# Allegro board LAY-95869_A.brd (continued)
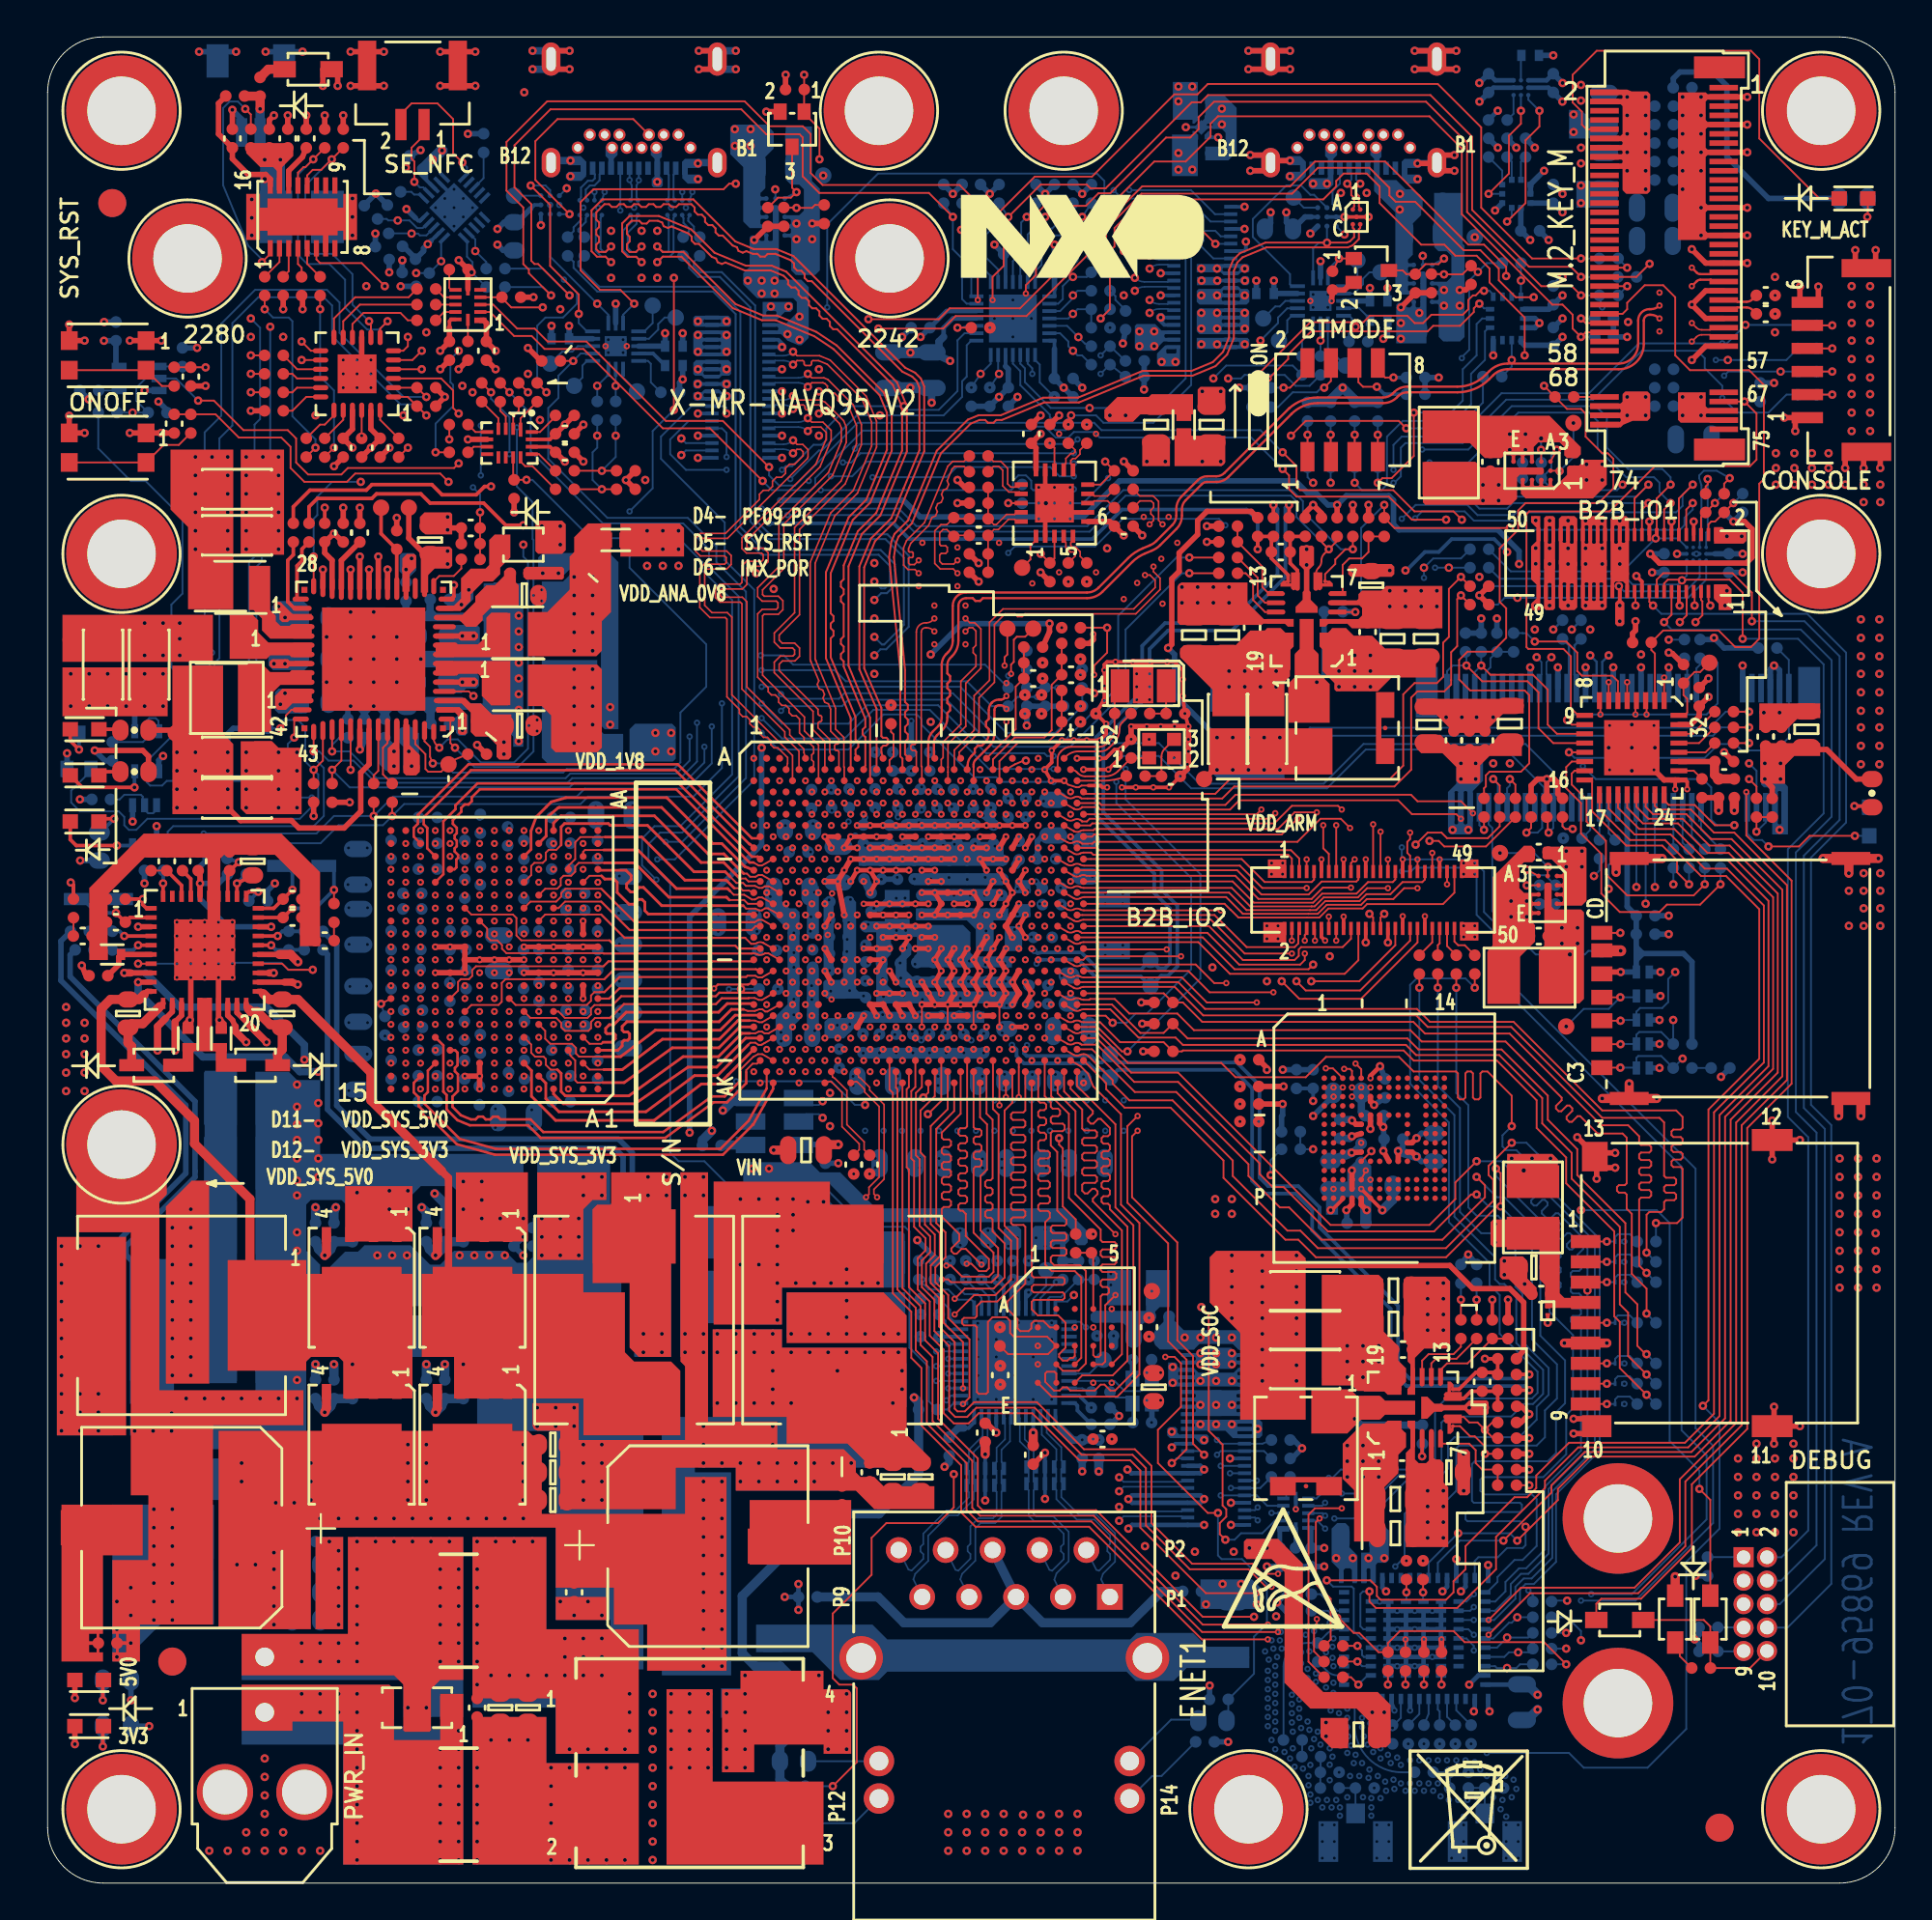
[diagram p0: board, top side]
## Routing (per net, layer and track width the routed paths; a pad name or vN(x,y) marks a point on that pad's centre or on a via; arc(x,y) is an arc through that point) (continued)
USB1_RX0_P: length 50.6
  TOP w0.107: U12.A21 45.13,61.26 45.13,61.51 45.24,61.61 45.39,61.61 45.49,61.71 45.49,61.95 45.4,62.04 45.21,62.04 45.13,62.12 45.13,63.66 44.2,65.8 44.2,71.27 44.79,72.69 45.89,73.79 46.63,75.58 47.45,77.56 47.45,81.06 47.27,81.5 46.95,81.81 46.42,82.08 40.38,88.12 39.45,88.51 38.22,88.51 37.23,88.92 34.95,91.2 30.03,91.2 29.44,90.61 29.44,88.39 29.74,88.1 30.2,88.1 v1(30.5,87.8)
  BOTTOM w0.107: U24.C2 29.67,90.18 29.67,88.41 29.98,88.1 30.2,88.1 v1(30.5,87.8)
USB1_RX1_N: length 39.3
  TOP w0.107: U12.A17 43.73,61.14 43.73,61.39 43.88,61.54 43.88,61.79 43.73,61.94 43.73,63.16 42.39,66.4 42.39,67.42 42.54,67.58 42.54,67.83 42.39,67.97 42.39,68.22 42.54,68.38 42.54,68.62 42.39,68.78 42.39,70.95 43.58,73.83 44.53,74.78 45.69,77.58 45.69,79.69 45.25,80.75 42.71,83.29 41.61,84.02 39.47,84.91 38.73,84.91 37.24,85.53 34.41,88.35 33.3,88.35 v1(33,88.65)
  BOTTOM w0.107: U22.C4 33.62,90.18 33.62,88.42 33.56,88.36 33.29,88.36 v1(33,88.65)
USB1_RX1_P: length 39.5
  TOP w0.107: U12.B16 43.47,63.11 42.13,66.35 42.13,71 43.36,73.98 44.31,74.93 45.43,77.63 45.43,79.64 45.03,80.6 42.55,83.09 41.49,83.79 39.42,84.65 38.68,84.65 37.09,85.31 34.3,88.1 33.3,88.1 v1(33,87.8)
  BOTTOM w0.107: U22.C3 33.88,90.18 33.88,88.31 33.67,88.1 33.3,88.1 v1(33,87.8)
USB1_TX0_C_N: length 1.5
  BOTTOM w0.107: U24.C3 29.13,90.18 29.13,89.98 28.73,89.58 28.73,89.48 C145.1
USB1_TX0_C_P: length 1.5
  BOTTOM w0.107: C146.1 28.47,89.48 28.47,89.69 28.87,90.09 28.87,90.18 U24.C4
USB1_TX0_N: length 46.8
  L3_IN1 w0.114: v1(44.75,69.5) 44.93,69.68 arc(45.11,69.8) 45.32,69.84 45.67,69.84 arc(46.36,69.55) 46.64,68.87 46.64,59.27 46.62,59.25 v4(46.62,58.5)
  BOTTOM w0.107: v1(44.75,69.5) 45.12,69.87 45.43,69.87 45.86,70.3 45.86,71.44 45.09,72.21 38.74,72.21 37.5,73.45 37.5,85.1 36.13,86.47 29.86,86.47 28.73,87.6 28.73,87.82 C145.2
USB1_TX0_P: length 46.8
  L3_IN1 w0.114: v4(46.97,59.11) 46.96,59.12 46.96,59.52 47.11,59.66 47.11,59.91 46.96,60.06 46.96,60.31 47.11,60.47 47.11,60.72 46.96,60.87 46.96,61.12 47.11,61.27 47.11,61.52 46.96,61.66 46.96,61.91 47.11,62.06 47.11,62.31 46.96,62.47 46.96,68.87 arc(46.58,69.78) 45.67,70.16 45.3,70.16 arc(45.11,70.19) 44.95,70.3 v1(44.75,70.5)
  BOTTOM w0.107: v1(44.75,70.5) 45.12,70.13 45.32,70.13 45.6,70.41 45.6,71.33 44.98,71.95 38.63,71.95 37.24,73.34 37.24,84.99 36.02,86.21 29.75,86.21 28.47,87.49 28.47,87.82 C146.2
USB1_TX1_C_N: length 1.5
  BOTTOM w0.107: U22.C2 34.42,90.18 34.42,89.92 34.72,89.62 34.72,89.48 C144.1
USB1_TX1_C_P: length 1.5
  BOTTOM w0.107: C143.1 34.98,89.48 34.98,89.73 34.68,90.03 34.68,90.18 U22.C1
USB1_TX1_N: length 41.3
  L3_IN1 w0.114: v4(45.57,59.11) 45.54,59.14 45.54,59.29 arc(45.57,59.43) 45.64,59.54 45.79,59.69 arc(45.89,59.83) 45.92,60.01 45.92,60.37 46.09,60.54 46.09,60.79 45.92,60.96 45.92,61.17 46.09,61.34 46.09,61.59 45.94,61.74 45.94,61.99 46.09,62.14 46.09,62.39 45.94,62.54 45.94,62.79 46.09,62.94 46.09,63.19 45.92,63.36 45.92,66.51 arc(45.73,66.97) 45.27,67.16 45.2,67.16 arc(45.1,67.18) 45.01,67.24 v1(44.75,67.5)
  BOTTOM w0.107: v1(44.75,67.5) 45.16,67.09 45.28,67.09 46.35,68.16 46.35,71.8 45.35,72.8 38.98,72.8 38.04,73.74 38.04,85.34 36.38,87 35.21,87 34.72,87.49 34.72,87.82 C144.2
USB1_TX1_P: length 41.3
  L3_IN1 w0.114: v1(44.75,66.5) 44.75,66.52 44.99,66.76 arc(45.08,66.82) 45.19,66.84 45.27,66.84 arc(45.51,66.75) 45.6,66.51 45.6,60.01 arc(45.59,59.96) 45.56,59.91 45.42,59.77 arc(45.27,59.55) 45.22,59.29 v4(45.22,58.5)
  BOTTOM w0.107: C143.2 34.98,87.82 34.98,87.6 35.32,87.26 36.49,87.26 38.3,85.45 38.3,73.85 39.09,73.06 45.46,73.06 46.61,71.91 46.61,68.05 45.39,66.83 45.08,66.83 v1(44.75,66.5)
USB2_CONN_DN: length 10.5
  TOP w0.107: U2.A2 70.98,90.82 70.98,91.39 70.83,91.54 70.83,91.83 v1(71.05,92.05)
  L8_IN2 w0.114: J12.B7 70.53,93.77 70.53,93.37 70.95,92.95 71.3,92.95 71.4,92.85 71.4,92.7 71.5,92.6 71.8,92.6 71.88,92.67 71.88,92.88 71.95,92.95 72.2,92.95 72.4,92.75 72.4,92.25 72.3,92.15 72.1,92.15 72,92.05 72,91.8 72.1,91.7 72.3,91.7 72.4,91.6 72.4,91.3 72.17,91.07 71.07,91.07 70.86,91.28 70.86,91.86 v1(71.05,92.05)
  BOTTOM w0.107: v1(71.05,92.05) 70.83,92.27 70.83,92.54 70.95,92.66 J12.A7
USB2_CONN_DP: length 10.5
  TOP w0.107: U2.A1 70.72,90.82 70.72,91.28 70.57,91.43 70.57,91.83 v1(70.35,92.05)
  L8_IN2 w0.114: J12.B6 70.85,93.75 70.85,93.5 71.08,93.27 72.33,93.27 72.72,92.88 72.72,91.17 72.3,90.75 70.94,90.75 70.54,91.15 70.54,91.86 v1(70.35,92.05)
  BOTTOM w0.107: v1(70.35,92.05) 70.57,92.27 70.57,92.56 70.45,92.68 J12.A6
USB2_DN: length 47.7
  TOP w0.107: U12.A25 46.41,61.13 46.41,61.83 46.56,61.98 46.56,62.23 46.41,62.38 46.41,62.62 46.56,62.77 46.56,63.02 46.41,63.17 46.41,63.42 46.56,63.58 46.56,63.83 46.41,63.98 46.41,65.7 45.81,71.82 45.92,72.6 46.06,72.93 46.78,73.65 48.35,77.44 49.96,79.05 50.44,79.25 50.75,79.25 50.9,79.1 51.2,79.1 51.35,79.25 51.65,79.25 53.94,80.2 55.82,80.2 59.32,81.65 61.97,81.65 63.22,82.17 63.84,82.79 64.21,83.68 64.21,87.33 64.4,87.78 64.68,88.06 65.97,88.6 70.38,88.6 70.64,88.71 70.98,89.05 70.98,89.59 71.05,89.66 U2.C2
USB2_DP: length 47.8
  TOP w0.107: U12.B24 46.27,60.91 46.15,61.03 46.15,65.69 45.55,71.83 45.67,72.67 45.84,73.08 46.56,73.8 48.13,77.59 49.81,79.27 50.39,79.51 51.6,79.51 53.89,80.46 55.77,80.46 59.27,81.91 61.92,81.91 63.07,82.39 63.62,82.94 63.95,83.73 63.95,87.38 64.18,87.93 64.53,88.28 65.92,88.86 70.33,88.86 70.49,88.93 70.72,89.16 70.72,89.59 70.65,89.66 U2.C1
USB_PTN5110_ALERT_B: length 111.1
  TOP w0.102: R371.2 v1(28.45,82.45) ; v1(47.4,42.55) 47.67,42.82 U12.AK28
  L8_IN2 w0.102: v1(28.45,82.45) 29.27,83.28 29.27,85.78 29.95,86.45 34.07,86.45 37.52,89.9 39.1,89.9 43.25,85.75 49.2,85.75 50,86.55 54.3,86.55 57.08,83.77 57.55,83.77 57.73,83.95 58.49,83.95 58.8,83.64 60.48,83.64 60.58,83.74 65.15,83.74 65.34,83.55 v1(65.65,83.55) ; v1(47.4,42.55) 45.05,42.55 44.9,42.7 43.2,42.7 42.65,43.25 38.95,43.25 33.45,48.75 v3(33.45,56.4)
  BOTTOM w0.102: U32.10 28.85,82.85 v1(28.45,82.45) 27.65,81.65 27.65,80.45 27.1,79.9 27.1,77.15 30.3,73.95 34.65,73.95 36.2,72.4 36.2,71.55 37.8,69.95 37.8,59.85 34.35,56.4 v3(33.45,56.4) ; U29.10 67.1,85.3 66.6,84.8 66.6,84.5 v1(65.65,83.55)
VANA_PF09: length 130
  TOP w0.3: R65.1 v1(69.8,74.65) ; R152.1 v1(80.2,24.1) ; C24.1 v1(15.5,73.1) R71.1 15,72.05 15.4,71.65 U9.26
  L3_IN1 w0.3: v9(39.65,74.9) 33.45,74.9 v1(32.35,76)
  L4_GND2 w0.3: v9(39.65,74.9) v6(40.05,74.9)
  L7_GND3 w0.3: v9(39.65,74.9) v6(40.05,74.9)
  L8_IN2 w0.3: v1(80.2,24.1) 79.6,24.7 79.6,31.9 79.4,32.1 79.4,32.8 79.8,33.2 79.8,51.2 80.62,52.02 80.62,57.08 82.3,58.75 82.3,60.3 81.75,60.85 81.75,63.65 79.65,65.75 v1(79.65,71.45) ; v1(32.35,76) 31.77,76.58 30.98,76.58 30.4,76 27,76 26.4,76.6 25.75,76.6 24.25,75.1 14.9,75.1 14.5,74.7 14.5,74.1 v1(15.5,73.1)
  BOTTOM w0.3: v1(79.65,71.45) 79.65,72.15 78.5,73.3 73.15,73.3 72.85,73.6 72.85,74.9 72.6,75.15 70.3,75.15 v1(69.8,74.65) 69.3,74.65 68.65,75.3 68.2,75.3 67.55,75.95 58.02,75.95 56.07,74 47.23,74 46.33,74.9 v9(39.65,74.9)
VDIG_PF09: length 2.9
  TOP w0.3: C25.1 15.9,71.64 U9.25
VLDO_SENS_1V8: length 11.6
  BOTTOM w0.25: C119.1 78.36,97.65 U18.C1 ; U18.B3 81.24,97.25 C118.1
  BOTTOM w0.3: C118.1 v1(82,96.5) ; R174.1 79,94.5 v1(79.5,94) ; U30.8 79.75,83.5 79.95,83.3 81.44,83.3 C157.1 81.5,83.25 v1(82,83.75) ; U20.1 79.74,90.73 C138.1 79.75,89.5 v1(80.25,89) ; v1(82,90.5) 81.51,90.99 C133.1 81.49,91 U20.10 ; C119.1 v1(77.5,97.5)
  vias: v1(61.21,97.31) v1(61.21,96.51) v1(61.96,97.31)
WDOG: length 91.5
  TOP w0.102: v1(22.25,76.9) 22,76.65 16.25,76.65 15.9,76.3 14.1,76.3 13.45,76.95 13.45,78.25 13,78.7 10.6,78.7 9,80.3 v1(8.15,80.3)
  L3_IN1 w0.102: v4(53.62,56.08) 54.27,56.45 55,56.45 55.1,56.35 55.65,56.35 56,56.7 57.5,56.7 v7(58.35,57.55)
  L4_GND2 w0.3: v7(58.35,57.55) v6(58.35,57.95)
  L7_GND3 w0.3: v7(58.35,57.55) v6(58.35,57.95)
  L8_IN2 w0.102: v1(22.25,76.9) 24.55,79.2 26,79.2 26.55,79.75 27.15,79.75 27.95,80.55 31.35,80.55 33.25,82.45 37.95,82.45 39.9,84.4 41.3,84.4 42.8,82.9 44.8,82.9 46.15,81.55 47.25,81.55 52.3,76.5 52.3,75.65 54.35,73.6 58.35,73.6 58.75,73.2 58.75,70.85 58.35,70.45 58.35,62.65 59.1,61.9 59.1,58.3 v7(58.35,57.55)
  BOTTOM w0.102: R230.2 v2(4.6,79.65) R229.2 4.8,80.29 4.8,81 5.3,81.5 U33.2 6.95,81.5 v1(8.15,80.3)
WU_IO_EXP_INT_B: length 60.9
  TOP w0.102: U12.AH30 48.37,42.37 v1(47.65,41.65) ; v1(25.92,76.01) R53.2 25.2,76.06 U5.11
  L8_IN2 w0.102: v3(32.95,54.35) 32.96,54.34 32.96,48.54 39.6,41.9 42.7,41.9 42.95,41.65 v1(47.65,41.65)
  BOTTOM w0.102: v3(32.95,54.35) 32.17,55.12 32.17,56.58 32.85,57.25 34.25,57.25 37.05,60.05 37.05,69.5 35.45,71.1 35.45,71.55 34.15,72.85 29.4,72.85 26.24,76.01 v1(25.92,76.01)
XSPI_CLK: length 27.7
  TOP w0.102: U16.B2 54.25,30.1 53.9,30.45 53.4,30.45 53.25,30.3 53.25,30.05 53.1,29.9 52.65,29.9 52.5,30.05 52.5,30.55 51.95,31.1 51.95,31.5 52.92,32.47 52.92,35.55 52.82,35.65 52.25,35.65 52.15,35.75 52.15,35.95 52.25,36.06 52.82,36.06 52.92,36.16 52.92,36.36 52.82,36.46 52.25,36.46 52.15,36.56 52.15,36.77 52.25,36.87 52.82,36.87 52.92,36.97 52.92,37.17 52.82,37.28 52.25,37.28 52.15,37.38 52.15,37.58 52.25,37.68 52.82,37.68 52.92,37.78 52.92,37.99 52.82,38.09 52.25,38.09 52.15,38.19 52.15,38.39 52.25,38.49 52.82,38.49 52.92,38.6 52.92,38.8 52.82,38.9 52.25,38.9 52.15,39 52.15,39.21 52.25,39.31 52.82,39.31 52.92,39.41 52.92,39.61 52.82,39.71 52.25,39.71 52.15,39.82 52.15,40.02 52.25,40.12 52.82,40.12 52.92,40.22 52.92,40.43 52.82,40.53 52.25,40.53 52.15,40.63 52.15,40.83 52.25,40.93 52.82,40.93 52.92,41.03 52.92,41.24 52.82,41.34 52.25,41.34 52.15,41.44 52.15,41.64 52.25,41.75 52.82,41.75 52.92,41.85 U12.AJ43
XSPI_DATA0: length 24.1
  TOP w0.102: U16.D3 55.95,28.45 55.95,32.8 55.6,33.15 54.35,33.15 54,33.5 54,35.8 54.25,36.05 54.25,36.3 54.15,36.41 53.72,36.41 53.62,36.51 53.62,36.71 53.72,36.81 54.15,36.81 54.25,36.91 54.25,37.12 54.15,37.22 53.72,37.22 53.62,37.32 53.62,37.52 53.72,37.63 54.15,37.63 54.25,37.73 54.25,37.93 54.15,38.03 53.72,38.03 53.62,38.13 53.62,38.34 53.72,38.44 54.15,38.44 54.25,38.54 54.25,38.74 54.15,38.84 53.72,38.84 53.62,38.95 53.62,39.15 53.72,39.25 54.15,39.25 54.25,39.35 54.25,39.56 54.15,39.66 53.72,39.66 53.62,39.76 53.62,40.14 53.72,40.24 53.95,40.24 54.05,40.34 54.05,40.54 53.95,40.65 53.72,40.65 53.62,40.75 53.62,40.95 53.72,41.05 53.95,41.05 54.05,41.15 54.05,41.36 53.95,41.46 53.72,41.46 53.62,41.56 53.62,41.76 53.72,41.87 53.95,41.87 54.05,41.97 54.05,42.17 53.95,42.27 53.72,42.27 53.62,42.37 53.62,43.56 U12.AJ45
XSPI_DATA1: length 26.1
  TOP w0.102: U12.AH46 53.97,42.63 54.3,42.3 54.3,42.05 54.4,41.95 54.7,41.95 54.8,41.85 54.8,41.64 54.7,41.54 54.4,41.54 54.3,41.44 54.3,41.24 54.4,41.14 54.95,41.14 55.05,41.03 55.05,40.83 54.95,40.73 54.4,40.73 54.3,40.63 54.3,39.95 54.65,39.6 54.65,36.42 55.15,35.92 55.15,35.72 55.05,35.62 54.4,35.62 54.3,35.52 54.3,35.31 54.4,35.21 55.05,35.21 55.15,35.11 55.15,34.91 55.05,34.81 54.4,34.81 54.3,34.7 54.3,34.5 54.4,34.4 55.05,34.4 55.15,34.3 55.15,34.09 55.05,33.99 54.4,33.99 54.3,33.89 54.3,33.65 54.48,33.48 55.88,33.48 56.2,33.15 56.2,28.15 55.8,27.75 54.95,27.75 U16.D2
XSPI_DATA2: length 22.5
  TOP w0.102: U12.AJ47 54.32,42.63 55.28,41.67 55.28,37.12 57,35.4 57,34.83 57.1,34.73 57.75,34.73 57.85,34.63 57.85,34.42 57.75,34.32 57.1,34.32 57,34.22 57,34.02 57.1,33.91 57.75,33.91 57.85,33.81 57.85,33.61 57.75,33.51 57.1,33.51 57,33.41 57,33.2 57.1,33.1 57.75,33.1 57.85,33 57.85,32.8 57.75,32.69 57.1,32.69 57,32.59 57,32.39 57.1,32.29 57.35,32.29 57.45,32.19 57.45,31.98 57.35,31.88 57.1,31.88 57,31.78 57,28.6 56.9,28.5 56.7,28.5 56.6,28.6 U16.C4
XSPI_DATA3: length 27.4
  TOP w0.102: U16.D4 57.1,28.1 57.25,28.25 57.25,31.3 v4(57.8,31.85) ; v4(57.8,35.15) 55.64,37.31 55.64,41.81 54.67,42.78 U12.AK48
  L3_IN1 w0.102: v4(57.8,35.15) 57.8,34.59 57.9,34.49 59.5,34.49 59.6,34.39 59.6,34.19 59.5,34.09 57.9,34.09 57.8,33.98 57.8,33.78 57.9,33.68 59.5,33.68 59.6,33.58 59.6,33.37 59.5,33.27 57.9,33.27 57.8,33.17 57.8,32.97 57.9,32.87 59.5,32.87 59.6,32.76 59.6,32.56 59.5,32.46 57.9,32.46 57.8,32.36 v4(57.8,31.85)
XSPI_DATA4: length 23.7
  TOP w0.102: U16.D5 58.15,28.65 58.15,35.35 56.58,36.92 56.58,37.07 56.83,37.32 56.83,37.47 56.69,37.61 56.55,37.61 56.29,37.35 56.15,37.35 56,37.5 56,37.82 56.1,37.93 56.7,37.93 56.8,38.03 56.8,38.23 56.7,38.33 56.1,38.33 56,38.43 56,38.64 56.1,38.74 56.7,38.74 56.8,38.84 56.8,39.04 56.7,39.15 56.1,39.15 56,39.25 56,39.45 56.1,39.55 56.7,39.55 56.8,39.65 56.8,39.86 56.7,39.96 56.1,39.96 56,40.06 56,40.26 56.1,40.36 56.7,40.36 56.8,40.47 56.8,40.67 56.7,40.77 56.1,40.77 56,40.87 56,41.9 55.02,42.88 U12.AJ49
XSPI_DATA5: length 23.9
  TOP w0.102: U16.E3 56,27.5 57.65,27.5 58.45,28.3 58.45,35.55 57.5,36.5 57.5,36.7 57.4,36.8 57.15,36.8 57.05,36.9 57.05,37.1 57.15,37.21 57.4,37.21 57.5,37.31 57.5,37.51 57.4,37.61 57.15,37.61 57.05,37.71 57.05,37.92 57.15,38.02 57.4,38.02 57.5,38.12 57.5,38.32 57.4,38.43 57.15,38.43 57.05,38.53 57.05,38.73 57.15,38.83 57.4,38.83 57.5,38.93 57.5,39.14 57.4,39.24 57.15,39.24 57.05,39.34 57.05,39.54 57.15,39.64 57.4,39.64 57.5,39.75 57.5,39.95 57.4,40.05 57.15,40.05 57.05,40.15 57.05,40.36 57.15,40.46 57.4,40.46 57.5,40.56 57.5,40.9 57.01,41.39 56.86,41.39 56.61,41.14 56.46,41.14 56.32,41.28 56.32,41.42 56.58,41.68 56.58,41.82 55.37,43.03 U12.AK50
XSPI_DATA6: length 25
  TOP w0.102: U12.AJ51 55.72,43.18 57.8,41.1 57.8,36.6 58.77,35.63 58.77,27.67 57.78,26.68 57.53,26.68 57.21,27 57,27 56.68,26.68 55.36,26.68 55.19,26.85 54.95,26.85 54.78,26.68 54.47,26.68 54,27.15 54,27.6 54.1,27.7 54.5,27.7 54.6,27.6 U16.E2
XSPI_DATA7: length 24.9
  TOP w0.102: U12.AH50 55.92,44.24 56.31,43.85 56.6,43.15 58.1,41.65 58.1,36.75 59.1,35.75 59.1,27.55 57.9,26.35 54.35,26.35 U16.E1
XSPI_DQS: length 24.6
  TOP w0.102: U16.C3 55.6,28.55 55.5,28.45 55.35,28.45 55.2,28.3 54.95,28.3 54.75,28.5 54.75,28.65 55.1,29 55.1,30.35 54.7,30.75 53.6,30.75 53.27,31.08 53.27,31.49 53.37,31.59 54.95,31.59 55.05,31.69 55.05,31.89 54.95,32 53.37,32 53.27,32.1 53.27,32.3 53.37,32.4 54.95,32.4 55.05,32.5 55.05,32.71 54.95,32.81 53.37,32.81 53.27,32.91 U12.AK44
XSPI_SS0_B: length 33.3
  TOP w0.102: R142.2 51.99,28.65 54.15,28.65 U16.C2 54.1,29.6 52.3,29.6 52.1,29.8 52.1,30.45 51.9,30.65 51.15,30.65 50.9,30.4 50.9,26.6 50.8,26.5 50.4,26.5 50.3,26.6 50.3,30.11 50.2,30.21 49.6,30.21 49.5,30.31 49.5,30.51 49.6,30.62 50.2,30.62 50.3,30.72 50.3,31.25 50.55,31.5 51.4,31.5 52.5,32.6 52.5,34.9 51.8,35.6 51.8,41.85 52.22,42.27 52.22,43.51 U12.AJ41
XTALI_24M: length 4.7
  TOP w0.102: Y2.1 59.62,60.94 C57.1 57.94,60.23 arc(57.63,60.02) 57.26,59.95 56.15,59.95 arc(55.95,59.99) 55.79,60.1 55.71,60.18 arc(55.55,60.28) U12.B50
XTALI_32K: length 7
  TOP w0.102: U12.B48 54.67,60.9 arc(54.71,61.1) 54.83,61.28 54.88,61.33 arc(55.12,61.49) 55.4,61.55 56.95,61.55 arc(57.13,61.59) 57.29,61.69 57.47,61.87 arc(57.68,62.18) 57.75,62.54 57.75,63.34 C43.1 57.76,64.56 Y1.1
XTALO_24M: length 2.7
  TOP w0.102: U12.C51 57.14,59.71 arc(57.78,59.78) R101.1
XTALO_32K: length 4.9
  TOP w0.102: U12.A49 55.12,61.02 arc(55.43,61.23) 55.79,61.3 56.99,61.3 arc(57.24,61.35) 57.45,61.49 57.69,61.73 arc(57.94,62.1) 58.02,62.54 arc(58.06,62.72) 58.16,62.87 R96.1
N20185383: length 5.8
  L3_IN1 w0.102: v4(52.9,63.34) 51.51,61.95 51.51,59.1 arc(51.46,58.92) 51.34,58.8 v4(50.82,58.5)
N20185394: length 6.3
  L3_IN1 w0.102: v4(53.8,63.34) 53.8,62.85 53.2,62.25 52.35,62.25 51.75,61.65 51.75,58.94 arc(51.74,58.86) 51.71,58.79 v4(51.52,58.5)
N20185422: length 2.4
  TOP w0.102: R96.2 C44.1 60.54,64.84 Y1.2
N20185436: length 3.1
  TOP w0.102: 60.98,61.95 60.47,61.44 arc(60.34,61.25) 60.29,61.02 C60.1 60.28,59.96 R101.2
N20187257: length 2.8
  L3_IN1 w0.203: v1(68.5,42.37) 69.37,42.37 v4(69.61,42.6)
  BOTTOM w0.2: C354.1 C349.1 v1(68.5,42.37)
N20187351: length 7.7
  L3_IN1 w0.102: v4(71.6,38.1) 71.41,37.9 71.09,37.9 70.83,37.64 70.23,37.64 70.02,37.85 68.96,37.85 v4(65.56,41.25)
N20187408: length 6.1
  TOP w0.102: U15.K5 v1(71.65,39.65)
  L3_IN1 w0.102: v1(71.65,39.65) 71.06,39.05 69.2,39.05 v1(68.5,39.75)
  BOTTOM w0.102: v1(68.5,39.75) R298.1 R296.2
N20191447: length 4.7
  TOP w0.2: TP3.1 18.05,73.09 R72.2 U9.19
N20191517: length 2.8
  TOP w0.102: v1(13.35,62.05) 13.35,63.05 U9.42
  BOTTOM w0.102: v1(13.35,62.05) 13,61.7 R261.2
N20191675: length 3.2
  TOP w0.102: R110.2 18.15,60.06 18.15,61.5 18.4,61.75 18.4,62.48
N20191732: length 3
  TOP w0.102: 17.9,62.48 17.9,60.25 17.65,60 R109.2
N20192669: length 1.7
  TOP w0.2: U17.5 v1(74.4,23.12)
  BOTTOM w0.2: v1(74.4,23.12) 74.42,23.13 C410.1
N20192671: length 3.8
  BOTTOM w0.4: v1(70.75,25.15) 71.09,24.81 C410.2
N20193058: length 3.8
  TOP w0.102: U17.15 74.4,28.3 74.75,28.65 76.1,28.65 76.5,29.05 R143.2
N20193082: length 3.8
  TOP w0.102: R144.2 76.26,28.4 75.15,28.4 74.9,28.15 U17.14
N20193154: length 5.2
  TOP w0.102: R156.2 R154.1 77.65,22.4 77.3,22.75 77.3,23.45 76.95,23.8 75.4,23.8 U17.7
N20193177: length 4.7
  TOP w0.102: U17.13 75.4,27.8 75.75,28.15 76.86,28.15 R145.2 R146.1
N20193405: length 1.7
  TOP w0.102: U8.5 v1(70.78,68.85)
  BOTTOM w0.3: C174.1 70.77,68.87 v1(70.78,68.85)
N20193407: length 4
  BOTTOM w0.3: C174.2 69.09,65.44 v1(68.7,65.05)
N20193730: length 3.6
  TOP w0.102: R83.2 64.85,70.95 65.25,70.55 65.25,69.5 65.9,68.85 U8.15
N20193755: length 3.7
  TOP w0.102: U8.14 65.9,69.35 65.5,69.75 65.5,70.71 R76.2
N20193832: length 5.2
  TOP w0.102: R68.2 R67.1 71.5,72.1 71.15,71.75 70.45,71.75 70.1,71.4 70.1,69.85 U8.7
N20193847: length 4.7
  TOP w0.102: U8.13 66.1,69.85 65.75,70.2 65.75,71.31 R73.2 R58.1
N20196036: length 6.1
  BOTTOM w0.102: U35.45 57.75,27.2 58.3,26.65 59.15,26.65 59.77,27.27 Y4.1 59.76,27.34 C405.1
N20196038: length 2.5
  BOTTOM w0.102: C414.1 58.73,24.97 58.73,26.02 58.45,26.3 57.81,26.3 R335.1
N20196046: length 4.6
  L9_GND4 w0.3: v3(51.4,32.69) 50.98,33.12 50.98,34.48 v3(50.9,34.55)
  L9_GND4 w0.4: v3(50.9,35.35) v3(50.9,34.55)
  BOTTOM w0.2: v3(51.4,32.69) 51.75,32.34 U35.29
N20196148: length 1.2
  BOTTOM w0.102: R335.2 56.01,26.8 U35.46
N20196294: length 2.2
  BOTTOM w0.102: TP44.1 56.4,27.6 U35.44
N20196509:
  vias: v3(53.1,32) v3(57.55,33) v3(57.55,32.4)
N20199076: length 1.3
  TOP w0.102: R167.2 v1(74.5,10.75)
  BOTTOM w0.102: U36.56 74.5,11.22 v1(74.5,10.75)
N20199078: length 1.3
  TOP w0.102: R168.2 v1(75.45,10.75)
  BOTTOM w0.102: U36.55 75.45,11.22 v1(75.45,10.75)
N20199086: length 2.1
  BOTTOM w0.102: U36.25 69.8,14.75 68.9,15.65 R340.2
N20199221: length 2
  BOTTOM w0.102: U36.24 69.8,14.25 69.3,14.75 R342.2
N20199281: length 1.6
  TOP w0.102: R164.2 v1(70.9,12)
  BOTTOM w0.102: U36.60 71.15,11.75 v1(70.9,12)
N20199318: length 1.9
  TOP w0.102: R169.2 70.55,11.15 v1(70.95,10.75)
  BOTTOM w0.102: U36.59 71.45,11.25 v1(70.95,10.75)
N20199349: length 1.3
  TOP w0.102: R166.2 v1(73.5,10.75)
  BOTTOM w0.102: U36.57 73.5,11.22 v1(73.5,10.75)
N20199360: length 1.9
  TOP w0.102: R162.2 v1(70.9,12.85)
  BOTTOM w0.102: v1(70.9,12.85) 71.15,12.6 71.15,12.35 71.25,12.25 U36.61
N20199453: length 1.7
  BOTTOM w0.1: C427.2 69.25,11.49 arc(69.52,11.31) 69.84,11.25 U36.18
N20199548: length 6.1
  BOTTOM w0.1: R360.1 73.98,6 73.31,6 arc(71.5,6.75) 70.75,8.56 U36.15
N20199550: length 1.7
  BOTTOM w0.1: R360.2 75.88,6.01 R361.1 R363.1
N20199556: length 2.3
  BOTTOM w0.1: R363.2 77.78,5.16 R364.1 77.79,3.78 J18.1
N20199632: length 8.3
  BOTTOM w0.1: C430.1 66.9,7.76 66.9,11.71 arc(67.28,12.63) 68.19,13.01 C427.1 69.25,13.51 arc(69.52,13.69) 69.84,13.75 U36.23
N20199634: length 0.9
  BOTTOM w0.1: C430.2 67.91,6.87 R358.1
N20199638: length 1.7
  BOTTOM w0.1: R358.2 68.91,6.02 R362.1 R366.1
N20199640: length 2.3
  BOTTOM w0.1: J19.1 70.79,3.78 R365.1 R366.2
N20200620: length 2.8
  TOP w0.102: SW2.2 68.19,81.94 67.25,81 v1(66.9,81)
  BOTTOM w0.102: R213.2 v1(66.9,81)
N20200622: length 4.8
  TOP w0.102: v1(69.1,81) 69.47,81.36 SW2.4
  BOTTOM w0.102: v1(69.1,81) 68.95,81 68.7,80.75 67.4,80.75 66.6,79.95 R222.2
N20200624: length 4
  TOP w0.102: SW2.6 70.95,82.12 70.95,81.3 71.2,81.05 v1(71.95,81.05)
  BOTTOM w0.2: R217.2 72.35,80.65 v1(71.95,81.05)
N20200626: length 2.1
  TOP w0.102: v1(72.85,81.55) 72.4,81.55 72,81.94 SW2.8
  BOTTOM w0.2: R210.2 v1(72.85,81.55)
N20200644: length 2.7
  TOP w0.102: v1(68.2,78.45) 68.2,77.27 SW2.1
  BOTTOM w0.102: R232.1 v1(68.2,78.45) R226.1
N20200646: length 2.7
  TOP w0.102: SW2.3 69.45,77.28 v1(69.45,78.45)
  BOTTOM w0.102: R225.1 v1(69.45,78.45) R233.1
N20200648: length 2.7
  TOP w0.102: v1(70.75,78.45) 70.75,77.28 SW2.5
  BOTTOM w0.102: R234.1 v1(70.75,78.45) R224.1
N20200650: length 2.7
  TOP w0.102: SW2.7 72,78.44 v1(72,78.45)
  BOTTOM w0.102: R235.1 v1(72,78.45) R223.1
N20208947: length 2
  TOP w0.102: v1(98.5,90.25) 98.53,90.28 D2.A
  BOTTOM w0.102: v1(98.5,90.25) 98.51,90.26 R184.2
N20209186: length 1.9
  TOP w0.127: C5.2 92.27,85.22 arc(92.13,85.31) 91.96,85.35 91.47,85.35 91.37,85.25 J1.49
N20209195: length 1.9
  TOP w0.127: C4.2 92.27,85.78 arc(92.13,85.68) 91.97,85.65 91.48,85.65 91.38,85.75 J1.47
N20211744: length 2.6
  TOP w0.102: U11.B3 v1(80.06,54.04)
  BOTTOM w0.102: R278.2 80.08,54.05 v1(80.06,54.04) 79.2,54.91 R276.1
N20212266: length 2.9
  BOTTOM w0.127: J16.49 82.25,65.35 82.35,65.45 82.35,67.04 C177.2
N20212275: length 2.9
  BOTTOM w0.127: C176.2 82.65,67.04 82.65,65.45 82.75,65.35 J16.47
N20212471: length 5.5
  TOP w0.102: J5.C6 v1(85.13,47.98)
  BOTTOM w0.102: D19.2 85.93,47.98 v1(85.13,47.98) 84.5,47.35 83.15,47.35 v1(82.2,46.4)
N20212515: length 2.7
  BOTTOM w0.102: J16.20 89.5,57.06 R270.1